# Allegro board pc065c_fibv2_toplevel_26_waive.brd (continued)
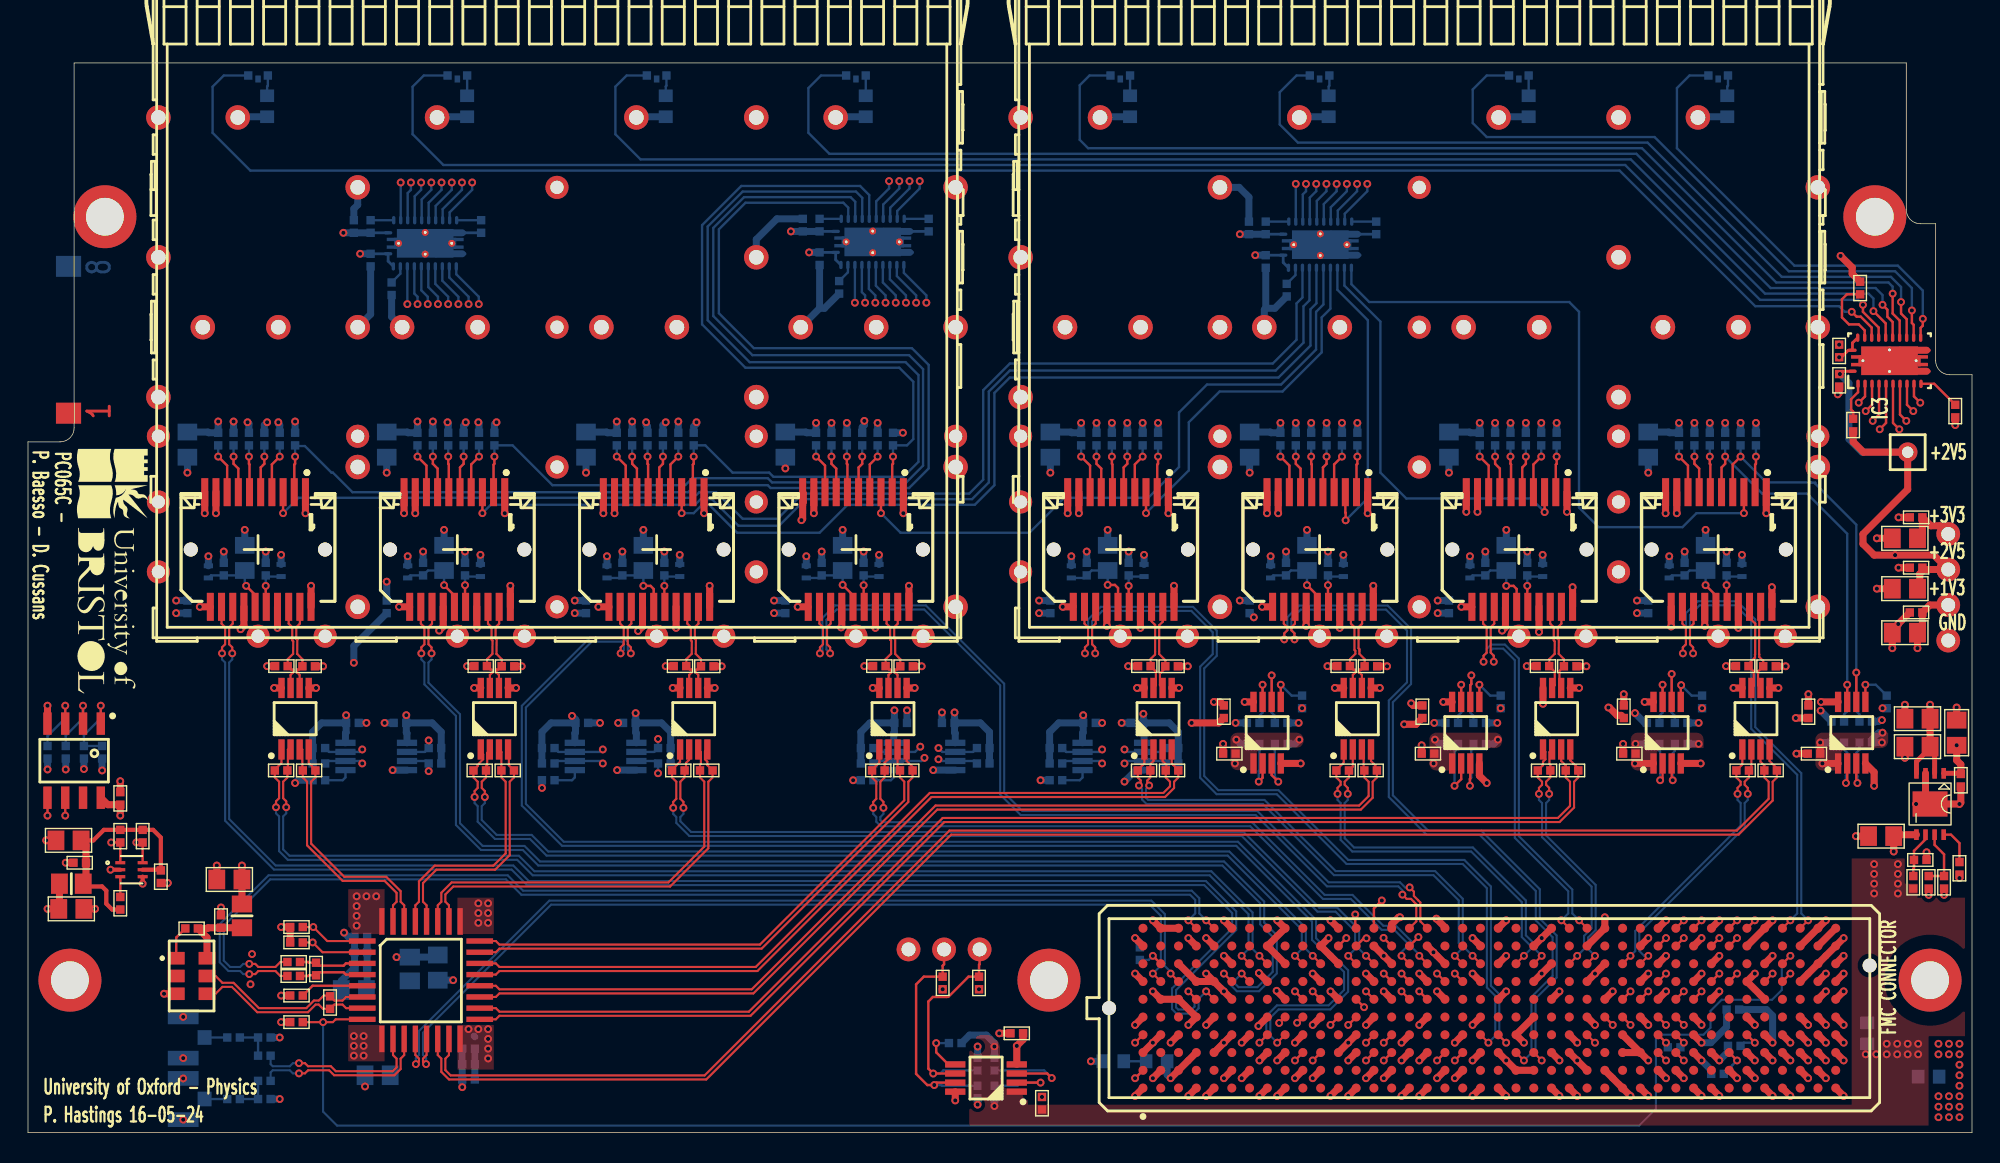
[diagram p0: board, top side]
## Nets (continued)
DP_M2C_N<4>: J2.A15
DP_M2C_N<5>: J2.A19
DP_M2C_N<6>: J2.B17
DP_M2C_N<7>: J2.B13
DP_M2C_N<8>: J2.B9
DP_M2C_N<9>: J2.B5
DP_M2C_P<0>: J2.C6
DP_M2C_P<1>: J2.A2
DP_M2C_P<2>: J2.A6
DP_M2C_P<3>: J2.A10
DP_M2C_P<4>: J2.A14
DP_M2C_P<5>: J2.A18
DP_M2C_P<6>: J2.B16
DP_M2C_P<7>: J2.B12
DP_M2C_P<8>: J2.B8
DP_M2C_P<9>: J2.B4
FMC_3P3V: F2.1 J2.C39 J2.D36 J2.D38 J2.D40 R21.2(B<0>)
FMC_HA_N<1>: J2.E3
FMC_HA_N<2>: J2.K8
FMC_HA_N<3>: J2.J7
FMC_HA_N<4>: J2.F8
FMC_HA_N<5>: J2.E7
FMC_HA_N<6>: J2.K11
FMC_HA_N<7>: J2.J10
FMC_HA_N<16>: J2.E16
FMC_HA_N<18>: J2.J19
FMC_HA_N<19>: J2.F20
FMC_HA_N<20>: J2.E19
FMC_HA_N<21>: J2.K20
FMC_HA_N<22>: J2.J22
FMC_HA_N<23>: J2.K23
FMC_HA_P<1>: J2.E2
FMC_HA_P<2>: J2.K7
FMC_HA_P<3>: J2.J6
FMC_HA_P<4>: J2.F7
FMC_HA_P<5>: J2.E6
FMC_HA_P<6>: J2.K10
FMC_HA_P<7>: J2.J9
FMC_HA_P<16>: J2.E15
FMC_HA_P<18>: J2.J18
FMC_HA_P<19>: J2.F19
FMC_HA_P<20>: J2.E18
FMC_HA_P<21>: J2.K19
FMC_HA_P<22>: J2.J21
FMC_HA_P<23>: J2.K22
FMC_HB_N<1>: J2.J25
FMC_HB_N<2>: J2.F23
FMC_HB_N<3>: J2.E22
FMC_HB_N<4>: J2.F26
FMC_HB_N<5>: J2.E25
FMC_HB_N<6>: J2.K29
FMC_HB_N<7>: J2.J28
FMC_HB_N<16>: J2.F35
FMC_HB_N<18>: J2.J37
FMC_HB_N<19>: J2.E34
FMC_HB_N<20>: J2.F38
FMC_HB_N<21>: J2.E37
FMC_HB_P<1>: J2.J24
FMC_HB_P<2>: J2.F22
FMC_HB_P<3>: J2.E21
FMC_HB_P<4>: J2.F25
FMC_HB_P<5>: J2.E24
FMC_HB_P<6>: J2.K28
FMC_HB_P<7>: J2.J27
FMC_HB_P<16>: J2.F34
FMC_HB_P<18>: J2.J36
FMC_HB_P<19>: J2.E33
FMC_HB_P<20>: J2.F37
FMC_HB_P<21>: J2.E36
FMC_LA_N<3>: J2.G10
FMC_LA_N<5>: J2.D12
FMC_LA_N<8>: J2.G13
FMC_LA_N<13>: J2.D18
FMC_LA_N<20>: J2.G22
FMC_LA_N<22>: J2.G25
FMC_LA_N<23>: J2.D24
FMC_LA_N<25>: J2.G28
FMC_LA_N<26>: J2.D27
FMC_LA_N<27>: J2.C27
FMC_LA_N<28>: J2.H32
FMC_LA_N<30>: J2.H35
FMC_LA_N<32>: J2.H38
FMC_LA_P<3>: J2.G9
FMC_LA_P<5>: J2.D11
FMC_LA_P<8>: J2.G12
FMC_LA_P<13>: J2.D17
FMC_LA_P<20>: J2.G21
FMC_LA_P<22>: J2.G24
FMC_LA_P<23>: J2.D23
FMC_LA_P<25>: J2.G27
FMC_LA_P<27>: J2.C26
FMC_LA_P<28>: J2.H31
FMC_LA_P<30>: J2.H34
GBTCLK_M2C_N<0>: J2.D5
GBTCLK_M2C_N<1>: J2.B21
GBTCLK_M2C_P<0>: J2.D4
GBTCLK_M2C_P<1>: J2.B20
I2C_SCL: IC1.6 IC2.1 IC11.7 J1.2 R8.1 R94.1 R135.1
I2C_SCL_CVCC: IC11.2 J2.C30 R132.1
I2C_SDA: IC1.5 IC2.6 IC11.6 J1.3(A<2>) R10.1 R93.1 R134.1
I2C_SDA_CVCC: IC11.3 J2.C31 R131.1
LED_0: DS1.2 IC3.21
LED_1: DS2.2 IC3.20
LED_2: DS3.2 IC3.19
LED_3: DS4.2 IC3.18
LED_4: DS5.2 IC3.17
LED_5: DS6.2 IC3.16
LED_6: DS7.2 IC3.15
LED_7: DS8.2 IC3.14
LED_FPGA<0>: IC3.3 J2.F28
LED_FPGA<1>: IC3.4 J2.E27
LED_FPGA<2>: IC3.5 J2.K31
LED_FPGA<3>: IC3.6 J2.J30
LED_FPGA<4>: IC3.7 J2.F29
LED_FPGA<5>: IC3.8 J2.E28
LED_FPGA<6>: IC3.9 J2.K32
LED_FPGA<7>: IC3.10 J2.J31
MOD_ABS: J7.6 R26.1
MOD_ABS_1: J12.6 R38.1
MOD_ABS_2: J16.6 R46.1
MOD_ABS_3: J20.6 R54.1
MOD_ABS_4: J24.6 R103.1
MOD_ABS_5: J28.6 R111.1
MOD_ABS_6: J32.6 R119.1
MOD_ABS_7: J36.6 R127.1
PG_M2C: J2.F1
PGOOD_C2M: J2.D1 R62.1
PRSNT_L: J2.H2 R15.2(B<0>)
RD_FPGA_N<0>: J2.F5 J7.12
RD_FPGA_N<1>: J2.G7 J12.12
RD_FPGA_N<2>: J2.D9 J16.12
RD_FPGA_N<3>: J2.K17 J20.12
RD_FPGA_N<4>: J2.D21 J36.12
RD_FPGA_N<5>: J2.C23 J32.12
RD_FPGA_N<6>: J2.K26 J28.12
RD_FPGA_N<7>: J2.K38 J24.12
RD_FPGA_P<0>: J2.F4 J7.13
RD_FPGA_P<1>: J2.G6 J12.13
RD_FPGA_P<2>: J2.D8 J16.13
RD_FPGA_P<3>: J2.K16 J20.13
RD_FPGA_P<4>: J2.D20 J36.13
RD_FPGA_P<5>: J2.C22 J32.13
RD_FPGA_P<6>: J2.K25 J28.13
RD_FPGA_P<7>: J2.K37 J24.13
RST_I2C_B: J2.G31
SFP_FAULT<0>: IC5.3 J7.2 R24.2(B<0>)
SFP_FAULT<1>: IC5.4 J12.2 R36.2(B<0>)
SFP_FAULT<2>: IC5.5 J16.2 R44.2(B<0>)
SFP_FAULT<3>: IC5.6 J20.2 R52.2(B<0>)
SFP_FAULT<4>: IC5.7 J36.2 R125.2(B<0>)
SFP_FAULT<5>: IC5.8 J32.2 R117.2(B<0>)
SFP_FAULT<6>: IC5.9 J28.2 R109.2(B<0>)
SFP_FAULT<7>: IC5.10 J24.2 R101.2(B<0>)
SFP_FAULT_FPGA<0>: IC5.21 J2.E10
SFP_FAULT_FPGA<1>: IC5.20 J2.F11
SFP_FAULT_FPGA<2>: IC5.19 J2.E13
SFP_FAULT_FPGA<3>: IC5.18 J2.J13
SFP_FAULT_FPGA<4>: IC5.17 J2.F14
SFP_FAULT_FPGA<5>: IC5.16 J2.K14
SFP_FAULT_FPGA<6>: IC5.15 J2.J16
SFP_FAULT_FPGA<7>: IC5.14 J2.F17
SFP_I2C_SCL<0>: IC12.7 J7.5 R27.1 R140.1
SFP_I2C_SCL<1>: IC14.7 J12.5 R39.1 R145.1
SFP_I2C_SCL<2>: IC15.7 J16.5 R47.1 R150.1
SFP_I2C_SCL<3>: IC16.7 J20.5 R55.1 R155.1
SFP_I2C_SCL<4>: IC17.7 J36.5 R128.1 R160.1
SFP_I2C_SCL<5>: IC18.7 J32.5 R120.1 R165.1
SFP_I2C_SCL<6>: IC19.7 J28.5 R112.1 R170.1
SFP_I2C_SCL<7>: IC20.7 J24.5 R104.1 R175.1
SFP_I2C_SCL_CVCC<0>: IC12.2 J2.C11 R137.1
SFP_I2C_SCL_CVCC<1>: IC14.2 J2.G16 R142.1
SFP_I2C_SCL_CVCC<2>: IC15.2 J2.C15 R147.1
SFP_I2C_SCL_CVCC<3>: IC16.2 J2.G34 R152.1
SFP_I2C_SCL_CVCC<4>: IC17.2 J2.C19 R157.1
SFP_I2C_SCL_CVCC<5>: IC18.2 J2.D15 R162.1
SFP_I2C_SCL_CVCC<6>: IC19.2 J2.G19 R167.1
SFP_I2C_SCL_CVCC<7>: IC20.2 J2.G37 R172.1
SFP_I2C_SDA<0>: IC12.6 J7.4 R28.1 R139.1
SFP_I2C_SDA<1>: IC14.6 J12.4 R40.1 R144.1
SFP_I2C_SDA<2>: IC15.6 J16.4 R48.1 R149.1
SFP_I2C_SDA<3>: IC16.6 J20.4 R56.1 R154.1
SFP_I2C_SDA<4>: IC17.6 J36.4 R129.1 R159.1
SFP_I2C_SDA<5>: IC18.6 J32.4 R121.1 R164.1
SFP_I2C_SDA<6>: IC19.6 J28.4 R113.1 R169.1
SFP_I2C_SDA<7>: IC20.6 J24.4 R105.1 R174.1
SFP_I2C_SDA_CVCC<0>: IC12.3 J2.C10 R136.1
SFP_I2C_SDA_CVCC<1>: IC14.3 J2.G15 R141.1
SFP_I2C_SDA_CVCC<2>: IC15.3 J2.C14 R146.1
SFP_I2C_SDA_CVCC<3>: IC16.3 J2.G33 R151.1
SFP_I2C_SDA_CVCC<4>: IC17.3 J2.C18 R156.1
SFP_I2C_SDA_CVCC<5>: IC18.3 J2.D14 R161.1
SFP_I2C_SDA_CVCC<6>: IC19.3 J2.G18 R166.1
SFP_I2C_SDA_CVCC<7>: IC20.3 J2.G36 R171.1
SFP_LOS<0>: IC4.3 J7.8 R25.2(B<0>)
SFP_LOS<1>: IC4.4 J12.8 R37.2(B<0>)
SFP_LOS<2>: IC4.5 J16.8 R45.2(B<0>)
SFP_LOS<3>: IC4.6 J20.8 R53.2(B<0>)
SFP_LOS<4>: IC4.7 J36.8 R126.2(B<0>)
SFP_LOS<5>: IC4.8 J32.8 R118.2(B<0>)
SFP_LOS<6>: IC4.9 J28.8 R110.2(B<0>)
SFP_LOS<7>: IC4.10 J24.8 R102.2(B<0>)
SFP_LOS_FPGA<0>: IC4.21 J2.E9
SFP_LOS_FPGA<1>: IC4.20 J2.F10
SFP_LOS_FPGA<2>: IC4.19 J2.E12
SFP_LOS_FPGA<3>: IC4.18 J2.J12
SFP_LOS_FPGA<4>: IC4.17 J2.F13
SFP_LOS_FPGA<5>: IC4.16 J2.K13
SFP_LOS_FPGA<6>: IC4.15 J2.J15
SFP_LOS_FPGA<7>: IC4.14 J2.F16
SFP_TD_N: J7.19 R23.1 U3.6
SFP_TD_N_1: J12.19 R35.1 U4.6
SFP_TD_N_2: J16.19 R43.1 U5.6
SFP_TD_N_3: J20.19 R51.1 U6.6
SFP_TD_N_4: J24.19 R100.1 U7.6
SFP_TD_N_5: J28.19 R108.1 U8.6
SFP_TD_N_6: J32.19 R116.1 U9.6
SFP_TD_N_7: J36.19 R124.1 U10.6
SFP_TD_P: J7.18 R22.1 U3.7(Q_P)
SFP_TD_P_1: J12.18 R34.1 U4.7(Q_P)
SFP_TD_P_2: J16.18 R42.1 U5.7(Q_P)
SFP_TD_P_3: J20.18 R50.1 U6.7(Q_P)
SFP_TD_P_4: J24.18 R99.1 U7.7(Q_P)
SFP_TD_P_5: J28.18 R107.1 U8.7(Q_P)
SFP_TD_P_6: J32.18 R115.1 U9.7(Q_P)
SFP_TD_P_7: J36.18 R123.1 U10.7(Q_P)
SFP_TX_DISABLE<0>: IC6.21 J7.3
SFP_TX_DISABLE<1>: IC6.20 J12.3
SFP_TX_DISABLE<2>: IC6.19 J16.3
SFP_TX_DISABLE<3>: IC6.18 J20.3
SFP_TX_DISABLE<4>: IC6.17 J36.3
SFP_TX_DISABLE<5>: IC6.16 J32.3
SFP_TX_DISABLE<6>: IC6.15 J28.3
SFP_TX_DISABLE<7>: IC6.14 J24.3
SFP_TX_DISABLE_FPGA<0>: IC6.3 J2.F31
SFP_TX_DISABLE_FPGA<1>: IC6.4 J2.E30
SFP_TX_DISABLE_FPGA<2>: IC6.5 J2.K34
SFP_TX_DISABLE_FPGA<3>: IC6.6 J2.J33
SFP_TX_DISABLE_FPGA<4>: IC6.7 J2.F32
SFP_TX_DISABLE_FPGA<5>: IC6.8 J2.E31
SFP_TX_DISABLE_FPGA<6>: IC6.9 J2.K35
SFP_TX_DISABLE_FPGA<7>: IC6.10 J2.J34
TCK: J2.D29
TD_FFD_N<0>: J2.H8 R1.2(B<0>) U3.2
TD_FFD_N<1>: J2.H11 R187.2(B<0>) U4.2
TD_FFD_N<2>: J2.H14 R189.2(B<0>) U5.2
TD_FFD_N<3>: J2.H17 R191.2(B<0>) U6.2
TD_FFD_N<4>: J2.H20 R199.2(B<0>) U10.2
TD_FFD_N<5>: J2.H23 R197.2(B<0>) U9.2
TD_FFD_N<6>: J2.H26 R195.2(B<0>) U8.2
TD_FFD_N<7>: J2.H29 R193.2(B<0>) U7.2
TD_FFD_P<0>: J2.H7 R1.1 U3.1
TD_FFD_P<1>: J2.H10 R187.1 U4.1
TD_FFD_P<2>: J2.H13 R189.1 U5.1
TD_FFD_P<3>: J2.H16 R191.1 U6.1
TD_FFD_P<4>: J2.H19 R199.1 U10.1
TD_FFD_P<5>: J2.H22 R197.1 U9.1
TD_FFD_P<6>: J2.H25 R195.1 U8.1
TD_FFD_P<7>: J2.H28 R193.1 U7.1
TEMP_ALERT: IC2.3 R11.1
TMS: J2.D33
TRST_L: J2.D34
UNNAMED_1_CAPCERSMDCL2_I31_B: C34.2(B<0>) C35.2(B<0>) J7.15 L5.1
UNNAMED_1_CAPCERSMDCL2_I31_B_1: C43.2(B<0>) C44.2(B<0>) J12.15 L7.1
UNNAMED_1_CAPCERSMDCL2_I31_B_2: C48.2(B<0>) C49.2(B<0>) J16.15 L9.1
UNNAMED_1_CAPCERSMDCL2_I31_B_3: C53.2(B<0>) C54.2(B<0>) J20.15 L11.1
UNNAMED_1_CAPCERSMDCL2_I31_B_4: C62.2(B<0>) C63.2(B<0>) J24.15 L13.1
UNNAMED_1_CAPCERSMDCL2_I31_B_5: C67.2(B<0>) C68.2(B<0>) J28.15 L15.1
UNNAMED_1_CAPCERSMDCL2_I31_B_6: C72.2(B<0>) C73.2(B<0>) J32.15 L17.1
UNNAMED_1_CAPCERSMDCL2_I31_B_7: C77.2(B<0>) C78.2(B<0>) J36.15 L19.1
UNNAMED_1_CAPCERSMDCL2_I35_B: C33.2(B<0>) J7.16 L4.2(B<0>)
UNNAMED_1_CAPCERSMDCL2_I35_B_1: C42.2(B<0>) J12.16 L6.2(B<0>)
UNNAMED_1_CAPCERSMDCL2_I35_B_2: C47.2(B<0>) J16.16 L8.2(B<0>)
UNNAMED_1_CAPCERSMDCL2_I35_B_3: C52.2(B<0>) J20.16 L10.2(B<0>)
UNNAMED_1_CAPCERSMDCL2_I35_B_4: C61.2(B<0>) J24.16 L12.2(B<0>)
UNNAMED_1_CAPCERSMDCL2_I35_B_5: C66.2(B<0>) J28.16 L14.2(B<0>)
UNNAMED_1_CAPCERSMDCL2_I35_B_6: C71.2(B<0>) J32.16 L16.2(B<0>)
UNNAMED_1_CAPCERSMDCL2_I35_B_7: C76.2(B<0>) J36.16 L18.2(B<0>)
UNNAMED_1_CON20PSFP_I19_RATES_1: J12.7 R41.1
UNNAMED_1_CON20PSFP_I19_RATES_2: J16.7 R49.1
UNNAMED_1_CON20PSFP_I19_RATES_3: J20.7 R57.1
UNNAMED_1_CON20PSFP_I19_RATES_4: J24.7 R106.1
UNNAMED_1_CON20PSFP_I19_RATES_5: J28.7 R114.1
UNNAMED_1_CON20PSFP_I19_RATES_6: J32.7 R122.1
UNNAMED_1_CON20PSFP_I19_RATES_7: J36.7 R130.1
UNNAMED_1_CON20PSFP_I19_RATESEL: J7.7 R29.1
UNNAMED_1_RSMD0402_I7_B: IC11.5 R133.2(B<0>)
UNNAMED_1_RSMD0402_I7_B_1: IC12.5 R138.2(B<0>)
UNNAMED_1_RSMD0402_I7_B_2: IC14.5 R143.2(B<0>)
UNNAMED_1_RSMD0402_I7_B_3: IC15.5 R148.2(B<0>)
UNNAMED_1_RSMD0402_I7_B_4: IC16.5 R153.2(B<0>)
UNNAMED_1_RSMD0402_I7_B_5: IC17.5 R158.2(B<0>)
UNNAMED_1_RSMD0402_I7_B_6: IC18.5 R163.2(B<0>)
UNNAMED_1_RSMD0402_I7_B_7: IC19.5 R168.2(B<0>)
UNNAMED_1_RSMD0402_I7_B_8: IC20.5 R173.2(B<0>)
UNNAMED_4_FMCHPCGENERIC_I62_GA0: J2.C34 R16.2(B<0>)
UNNAMED_4_FMCHPCGENERIC_I62_GA1: J2.D35 R20.2(B<0>)
UNNAMED_4_FMCHPCGENERIC_I62_TDI: J2.D30 R65.1
UNNAMED_4_FMCHPCGENERIC_I62_TDO: J2.D31 R65.2(B<0>)
UNNAMED_5_24AA025E48_I9_A0: IC1.1 R201.1 R202.1
UNNAMED_5_24AA025E48_I9_A1: IC1.2 R204.1
UNNAMED_5_24AA025E48_I9_A2: IC1.3 R203.1
UNNAMED_7_CAPCERSMDCL2_I28_B: C101.2(B<0>) U11.8
UNNAMED_7_MP20075REG_I17_EN: R62.2(B<0>) R182.2(B<0>) U11.7
UNNAMED_7_MP20075REG_I17_REF: C19.2(B<0>) R183.2(B<0>) U11.6
UNNAMED_8_CAPCERSMDCL2_I154_B: C30.2(B<0>) R12.2(B<0>) R18.1
UNNAMED_8_CAPCERSMDCL2_I158_B: C121.2(B<0>) R17.2(B<0>) R19.1
UNNAMED_8_CAPCERSMDCL2_I167_A: C16.1 R2.1 U1.3
UNNAMED_8_CAPCERSMDCL2_I168_B: C18.2(B<0>) R2.2(B<0>) U1.4
UNNAMED_8_PCOAX_I121_A: PX3.1(A) R18.2(B<0>)
UNNAMED_8_PCOAX_I155_A: PX4.1(A) R19.2(B<0>)
UNNAMED_8_RSMD0402_I172_B: QZ1.1 R3.2(B<0>)
UNNAMED_13_RSMD0402_I94_B: IC3.2 R66.2(B<0>)
UNNAMED_13_RSMD0402_I95_B: IC3.11 R67.2(B<0>)
UNNAMED_13_RSMD0402_I96_B: IC3.22 R68.2(B<0>)
UNNAMED_13_RSMD0402_I126_B: IC4.2 R31.2(B<0>)
UNNAMED_13_RSMD0402_I127_B: IC4.11 R32.2(B<0>)
UNNAMED_13_RSMD0402_I128_B: IC4.22 R69.2(B<0>)
UNNAMED_13_RSMD0402_I147_B: IC5.2 R70.2(B<0>)
UNNAMED_13_RSMD0402_I148_B: IC5.11 R71.2(B<0>)
UNNAMED_13_RSMD0402_I149_B: IC5.22 R72.2(B<0>)
UNNAMED_13_RSMD0402_I168_B: IC6.2 R73.2(B<0>)
UNNAMED_13_RSMD0402_I169_B: IC6.11 R74.2(B<0>)
UNNAMED_13_RSMD0402_I170_B: IC6.22 R75.2(B<0>)
UNNAMED_13_RSMD0603_I76_A: DS1.1(K) R30.1
UNNAMED_13_RSMD0603_I77_A: DS2.1(K) R33.1
UNNAMED_13_RSMD0603_I78_A: DS3.1(K) R58.1
UNNAMED_13_RSMD0603_I79_A: DS4.1(K) R59.1
UNNAMED_13_RSMD0603_I80_A: DS5.1(K) R60.1
UNNAMED_13_RSMD0603_I81_A: DS6.1(K) R61.1
UNNAMED_13_RSMD0603_I82_A: DS7.1(K) R63.1
UNNAMED_13_RSMD0603_I83_A: DS8.1(K) R64.1
VADJ: F1.1 J2.E39 J2.F40 J2.G39 J2.H40
VIO_B_M2C: J2.J39 J2.K40
VREF_A_M2C: J2.H1
VREF_B_M2C: J2.K1

Pads without a net: IC1 7; J2 B40; NOREF#2 1; NOREF#5 1; NOREF#7 1; NOREF#8 1; NOREF#9 1; QZ1 2; SFP1 NC; SFP2 NC

## Via types
v1: diameter 0.56, hole 0.3, TOP to BOTTOM, 857 vias

## Routing (per net, layer and track width the routed paths; a pad name or vN(x,y) marks a point on that pad's centre or on a via; arc(x,y) is an arc through that point)
GND: length 2139.6
  TOP w0.3: IC2.2 v1(5.9,18.8) ; IC2.4 v1(8.2,17.8)
  TOP w0.5: J2.C29 114.02,7 ; J2.C29 v1(115.85,5.16) ; J2.C29 J2.C28 ; J2.B7 v1(86.78,3.89) ; J12.9 v1(27.69,44.3) ; J20.14 58.19,36.18 v1(58.14,36.13) ; 84.81,8.27 v1(84.24,7.7) ; J12.20 v1(34.49,39.1) ; J20.17 v1(60.59,36.09) ; 112.75,4.46 J2.A28 v1(114.58,2.62) ; v1(124.74,15.18) J2.J35 ; 89.58,26.4 v1(91,26.4) ; J16.14 43.94,36.19 v1(43.62,35.88) ; 84.81,10.8 v1(85.51,10.1) 86.08,9.54 ; 84.81,10.8 83.53,10.8 J2.H3 ; 84.81,10.8 v1(84.24,11.37) ; 100.05,3.19 v1(99.48,2.62) ; 110.2,3.19 v1(110.77,2.62) ; 120.36,9.54 v1(120.93,10.1) ; J20.9 v1(56.19,44.3) ; 83.53,3.19 v1(82.97,2.62) ; J36.9 v1(75.14,44.3) ; 92.42,10.8 v1(91.86,11.37) ; J12.1 v1(34.09,44.3) ; v1(92.99,13.91) 92.42,13.35 J2.H12 ; 105.12,3.19 v1(105.69,2.62) ; J2.H21 v1(105.69,12.64) ; J2.F24 v1(109.5,10.1) ; J28.14 105.64,36.14 v1(105.4,35.9) ; v1(89.32,15.18) J2.K9 88.61,13.35 J2.H9 ; 86.08,4.46 v1(85.51,3.89) ; J36.10 v1(74.34,44.3) ; 116.56,12.07 v1(117.12,12.64) ; J2.J32 v1(119.66,13.91) ; J2.D7 v1(86.78,6.43) ; J2.E26 v1(112.04,7.7) ; v1(129.6,62.7) 130.43,61.87 130.43,61.42 R68.1 ; J2.H27 v1(112.04,11.37) J2.G26 ; v1(123.47,11.37) J2.G35 124.17,9.54 ; 103.86,13.35 v1(103.29,13.91) ; J2.A37 v1(126.01,2.62) ; C1.1 v1(133.75,44) ; v1(112.75,15.4) 112.75,14.62 J2.J26 ; J12.10 v1(26.89,44.3) ; J2.J17 v1(100.5,12.89) J2.H18 ; R9.2 v1(18.1,9.8) ; J2.E38 v1(127.28,7.7) ; J2.C33 v1(120.93,5.16) ; v1(55.3,43.8) 55.39,43.89 55.39,45.05 55.44,45.1 55.44,45.7 55.39,45.75 J20.10 ; J36.14 v1(77.14,36.24) ; J32.20 v1(96.19,39.1) ; v1(18.1,14.7) R6.1 R5.1 ; J7.14 15.44,36.24 v1(15.2,36) ; v1(82.97,7.7) 83.53,8.27 J2.F3 81,9.54 v1(80.43,10.1) ; J28.10 v1(102.84,44.39) ; 98.78,3.19 v1(98.21,2.62) ; 127.98,9.54 v1(128.55,10.1) ; 84.81,3.19 v1(84.24,2.62) ; U4.5 v1(34.9,31.8) ; C80.1 71.15,6.65 v1(70.7,6.2) 70.7,4.88 ; J28.20 v1(110.44,39.01) ; IC20.4 132,25.77 v1(132,24.8) ; J2.B18 v1(100.75,3.89) ; J2.E40 v1(129.82,7.7) ; J2.K18 101.31,14.69 v1(100.7,15.3) ; 103.86,5.72 v1(103.29,5.16) ; J7.11 v1(12.29,37.6) ; U3.5 v1(20.6,31.8) ; C90.1 85.25,30.8 v1(84.79,30.8) ; J2.F15 v1(96.94,10.1) ; J2.H24 v1(108.23,11.37) J2.G23 ; QZ1.3 v1(9.73,9.93) ; J2.H36 v1(124.74,12.64) ; J2.D13 v1(94.4,6.43) 93.69,5.72 ; J16.20 v1(48.74,39.1) ; 94.97,3.19 v1(94.4,2.62) ; J2.F21 v1(105.69,10.1) ; 84.81,5.72 v1(85.51,6.43) 86.08,7 ; J20.20 v1(62.99,39.1) ; C39.1 v1(132.19,38.9) ; 89.89,5.72 v1(89.32,5.16) ; J2.H33 v1(120.93,12.64) ; 110.2,5.72 v1(110.77,5.16) J2.B26 ; J2.C36 v1(124.74,5.16) ; v1(81.7,3.89) J2.B3 83.53,5.72 ; 108.94,5.72 v1(109.5,5.16) ; C91.1 v1(99.65,27.7) ; J32.1 v1(95.79,44.3) ; 116.56,14.62 v1(117.12,15.18) ; C8.1 v1(1.3,20.9) ; J2.G29 v1(115.85,11.37) ; J2.K24 v1(108.23,13.91) J2.J23 ; 100.05,5.72 v1(99.48,5.16) ; J36.11 v1(73.98,37.6) ; R7.1 v1(18.1,7.9) ; J24.14 v1(119.89,36.24) ; C36.1 v1(133.72,36.38) ; v1(129.4,52.8) 129.5,52.9 C20.1 ; J32.14 v1(91.39,36.24) ; J2.K12 v1(93.13,15.18) ; C112.2 v1(6.6,25.13) ; C94.1 v1(114.1,31.36) ; J2.A40 v1(129.82,2.62) ; J2.B15 v1(96.94,3.89) ; C93.1 v1(114.05,27.8) ; J2.F12 v1(93.13,10.1) ; v1(106.96,6.43) J2.D22 J2.E23 ; J7.20 v1(20.24,39.1) ; J2.A32 v1(119.66,2.62) ; J7.1 v1(19.84,44.3) ; 93.69,3.19 v1(93.13,2.62) ; v1(80.43,15.18) 81,14.62 J2.K3 ; 88.61,8.27 v1(87.97,7.62) ; C38.1 v1(133.75,40.4) ; 86.08,14.62 v1(85.51,15.18) ; C4.1 v1(4.8,16) ; J20.1 v1(62.59,44.3) ; 79.72,10.8 v1(79.16,11.37) ; J7.9 v1(13.44,44.3) ; C99.1 v1(134.2,26.8) ; J2.D19 v1(102.02,6.43) ; J2.E17 v1(99.48,7.7) ; U11.9 v1(138.1,23.5) 138.2,23.6 C119.2 ; U11.9 135.68,23.82 U11.3 ; U11.9 v1(135,23.5) ; J2.D3 v1(81.7,6.43) ; J2.C40 v1(129.82,5.16) ; J2.F9 v1(89.28,10.14) ; J7.10 v1(12.64,44.3) ; J2.H15 v1(96.94,12.64) 96.23,13.35 ; J24.10 v1(117.09,44.3) ; IC3.13 133.85,55.95 IC3.25 133.85,54.45 IC3.12 ; C120.1 v1(130.7,21.2) ; C6.1 v1(13.5,19.1) ; J16.9 v1(41.94,44.3) ; 89.89,3.19 v1(89.32,2.62) ; J28.17 v1(108.04,35.8) ; J2.B11 v1(91.86,3.89) ; C96.1 v1(127.3,31.36) ; 110.28,31.8 v1(110.91,31.8) ; 116.56,4.46 v1(117.12,3.89) ; J2.G38 J2.J40 v1(129.82,13.91) ; J2.G40 v1(129.82,11.37) ; 96.23,10.8 v1(95.67,11.37) ; J2.J38 v1(128.55,15.18) ; 127.98,7 v1(128.55,6.43) ; 116.56,9.54 v1(117.12,10.1) ; J2.G32 v1(119.66,11.37) ; R67.1 v1(137.8,50.6) ; J28.1 v1(110.04,44.39) ; J32.11 v1(88.23,37.6) ; 83.53,13.35 v1(82.97,13.91) ; J16.11 v1(40.78,37.6) ; C89.1 v1(85.45,27.8) ; J36.17 v1(79.54,36.09) ; J2.K21 v1(105.69,15.18) ; J24.9 v1(117.89,44.3) ; J12.17 v1(32.09,36.09) ; J2.C32 v1(119.66,5.16) ; J2.D10 v1(90.59,6.43) ; 88.61,10.8 v1(88.01,11.41) ; IC19.4 v1(119.6,26.4) ; C95.1 v1(126.44,27.1) ; J24.1 v1(124.29,44.3) ; C100.1 v1(134.2,30.6) ; 98.78,7 v1(98.21,6.43) ; J2.B10 v1(90.59,3.89) ; U5.5 v1(49.1,31.8) ; 84.81,13.35 v1(84.24,13.91) ; J36.20 v1(81.94,39.1) ; J16.17 v1(46.34,36.09) ; 98.78,5.72 v1(98.21,5.16) ; 81.78,31.8 v1(82.3,31.8) ; 121.64,4.46 v1(122.2,3.89) ; J2.F18 v1(100.75,10.1) ; 79.72,13.35 v1(79.16,13.91) ; J2.D25 v1(110.77,6.43) ; J2.K15 97.5,14.9 98,15.4 v1(98.1,15.4) ; J2.A33 v1(120.93,2.62) ; C10.1 v1(13.8,16.1) ; 79.72,5.72 v1(80.43,6.43) 81,7 ; J2.E35 v1(123.47,7.7) ; 103.86,8.27 v1(103.29,7.7) ; C101.1 v1(138.1,18.2) ; v1(29.4,35.9) 29.69,36.19 J12.14 ; U6.5 v1(63.4,31.8) ; 94.97,5.72 v1(94.4,5.16) ; J24.11 v1(117.49,36.19) ; 88.61,3.19 v1(88.05,2.62) ; v1(104.3,25) 103.78,25.52 103.78,26.4 ; J24.20 v1(124.69,39.01) ; 120.36,14.62 v1(120.93,15.18) ; J24.17 v1(122.29,36.09) ; 79.72,3.19 v1(79.16,2.62) ; J28.9 v1(103.64,44.39) ; v1(98.9,30.7) 99.05,30.55 C92.1 ; J2.B14 v1(95.67,3.89) ; 103.86,3.19 v1(103.29,2.62) ; 125.44,7 v1(126.01,6.43) ; 117.83,4.46 v1(118.39,3.89) ; 92.42,8.27 v1(91.86,7.7) ; J16.1 v1(48.34,44.3) ; C19.1 v1(135.75,20.05) ; J12.11 v1(26.54,37.6) ; U7.5 v1(125.16,31.8) ; C2.1 v1(132.19,42.5) ; 108.94,3.19 v1(109.5,2.62) ; J16.10 v1(41.14,44.3) ; J32.9 v1(89.39,44.3) ; 105.12,5.72 v1(105.69,5.16) J2.B22 J2.B23 ; 126.72,4.46 v1(127.28,3.89) ; 122.91,4.46 v1(123.47,3.89) ; C29.2 v1(10,17.85) ; 88.61,5.72 v1(88.05,5.16) ; J2.E29 v1(115.85,7.7) ; 86.08,12.07 v1(85.51,12.64) ; 81,4.46 v1(80.43,3.89) ; C118.2 v1(137.9,30.4) ; 79.72,8.27 v1(79.16,7.7) ; 103.86,10.8 v1(103.29,11.37) ; J2.A29 v1(115.85,2.62) ; U9.5 v1(96.66,31.8) ; 112.75,9.54 v1(113.31,10.1) ; J2.E32 v1(119.66,7.7) ; C37.1 v1(133.3,34.64) ; 127.98,4.46 v1(128.55,3.89) ; J2.B19 v1(102.02,3.89) ; J2.G17 v1(99.48,11.37) ; J2.J29 v1(115.85,13.91) ; J36.1 v1(81.54,44.3) ; J2.A36 v1(124.74,2.62) ; C5.1 v1(2.7,19.3) ; J2.C38 v1(127.28,5.16) ; J32.10 v1(88.59,44.3) ; J7.17 v1(17.84,36.09) ; 1.4,29.25 v1(1.4,30.53) ; 96.23,8.27 v1(95.67,7.7) ; J32.17 v1(93.79,36.09) ; J28.11 v1(102.48,37.6) ; J20.11 v1(55.03,37.6)